# Altium PCB SolderingStation_ASCII.PcbDoc (part 1 of 3)
Units mm, origin at the board's own origin, x right, y up, seen from the top; angles counter-clockwise.
Board outline 138.15 x 60.81 mm, 2 copper layers (Top Layer, Bottom Layer), stack 1.671 mm thick; 227 components, 141 nets, 684 pads, 483 vias.
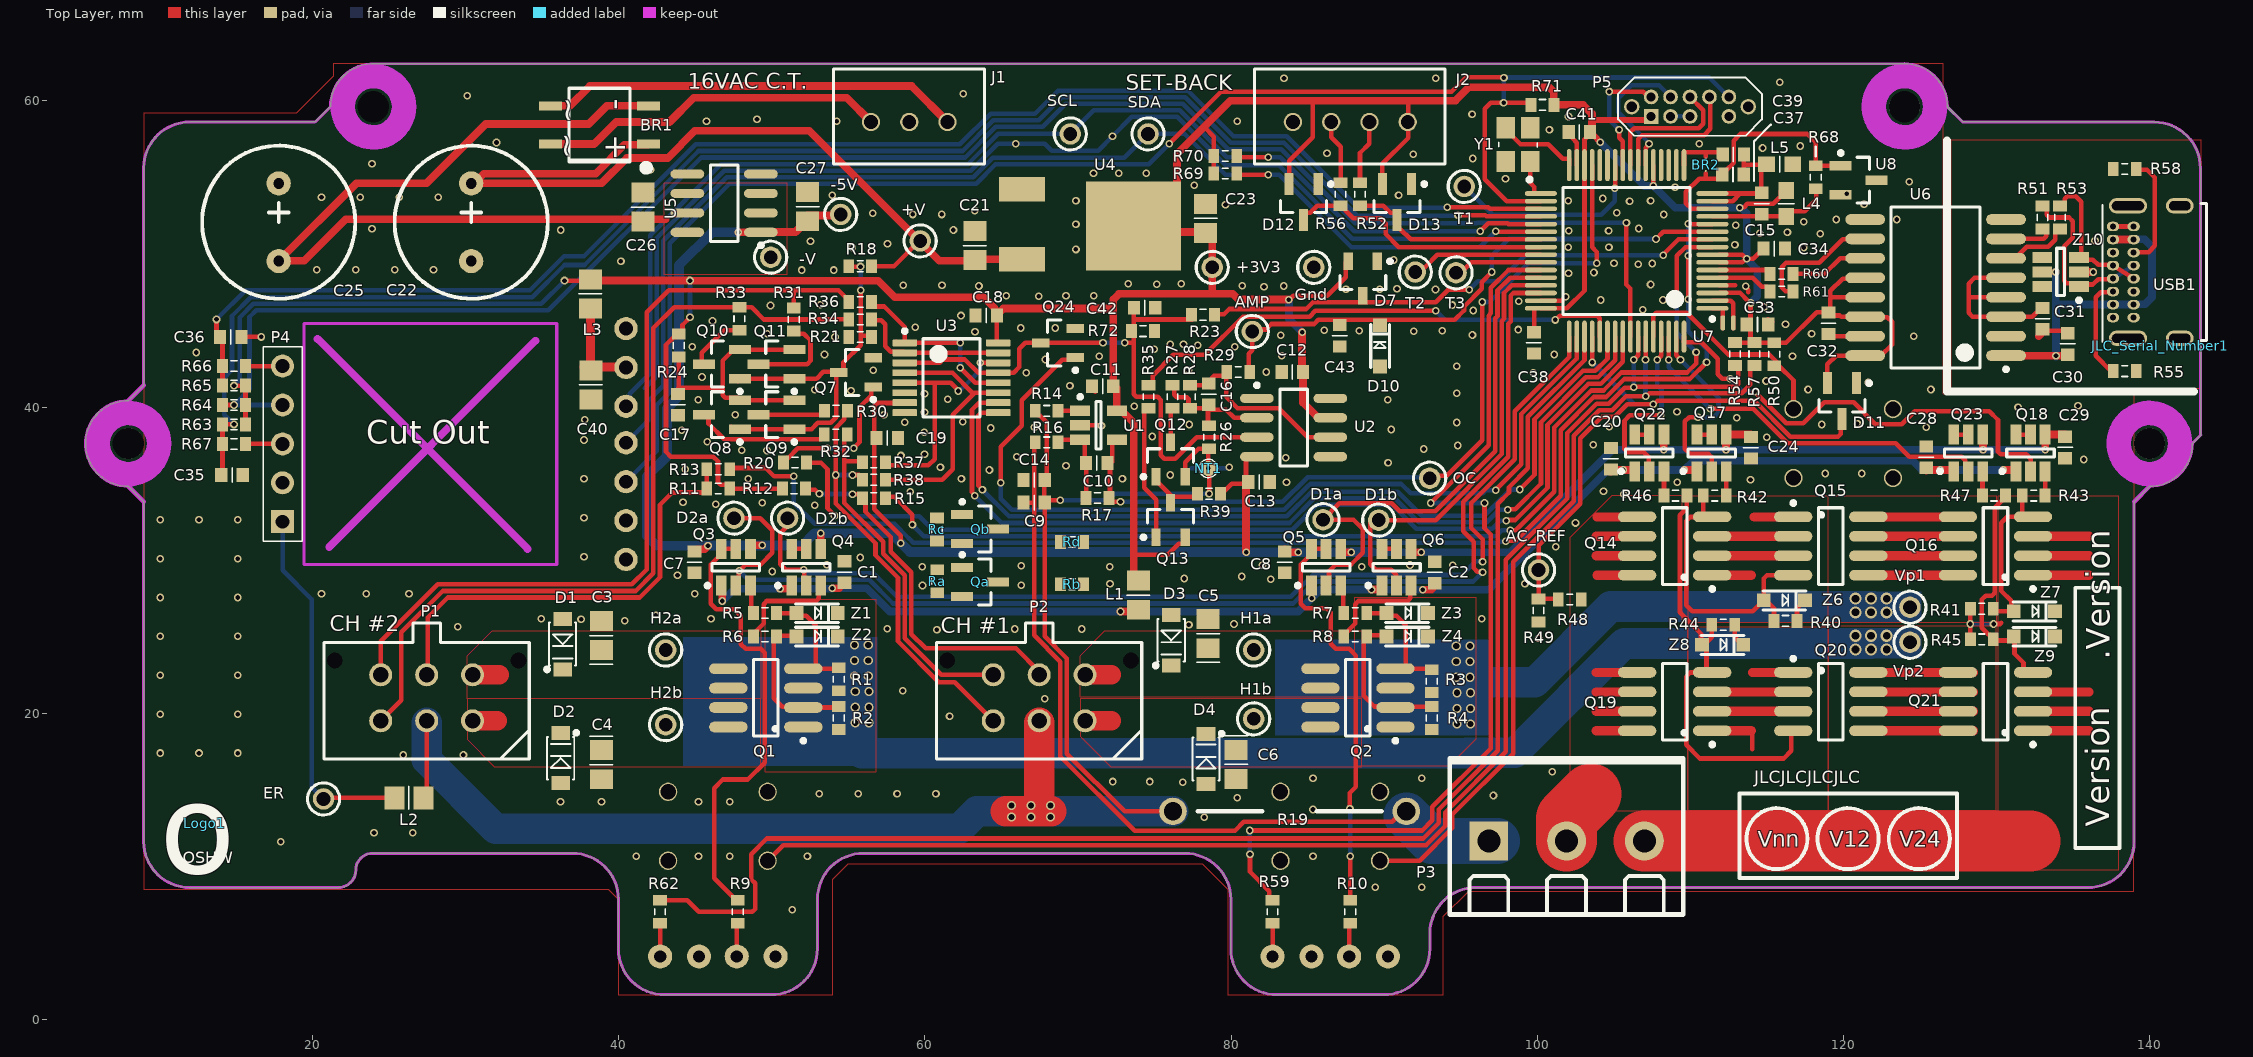
[diagram p0: Top Layer view]
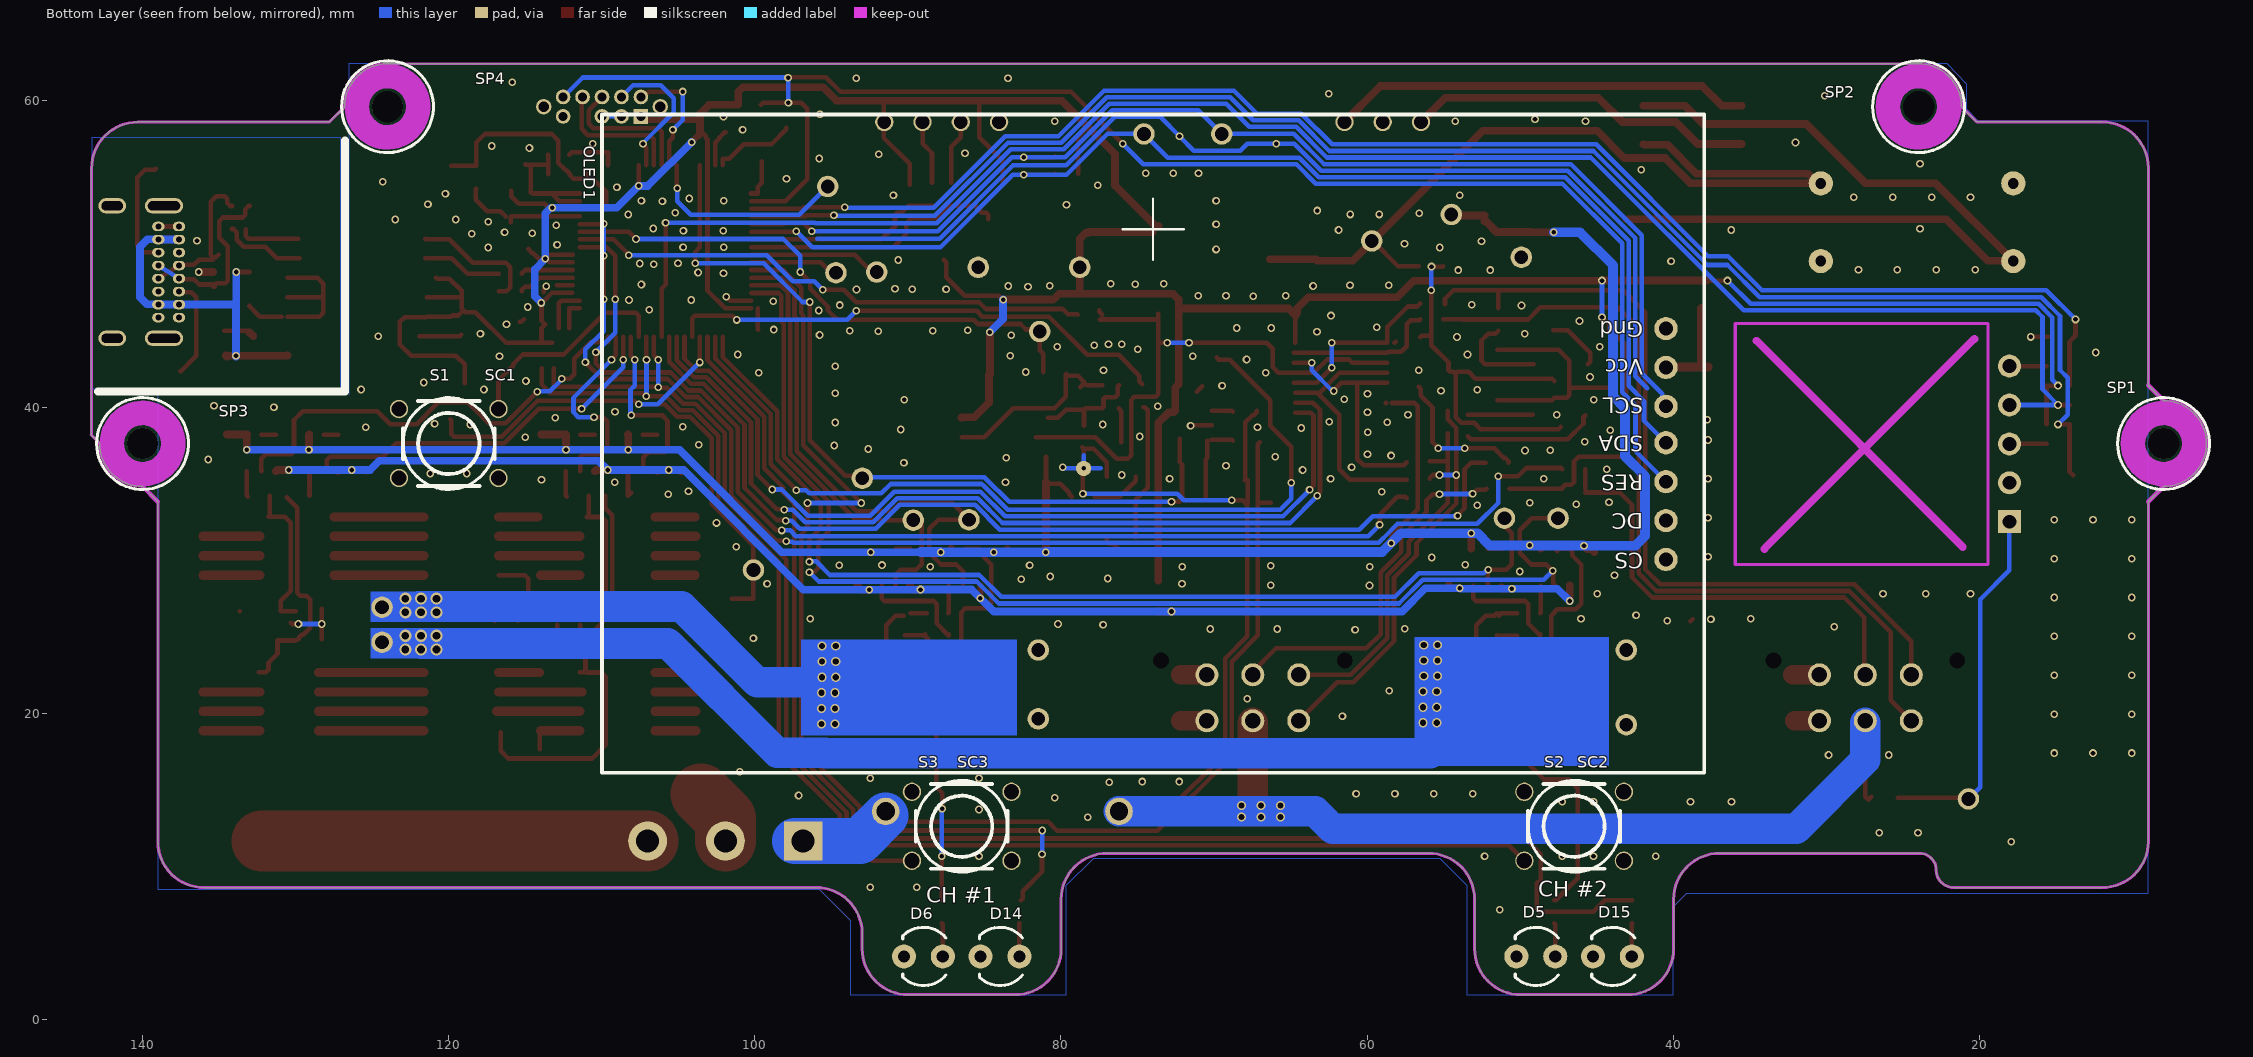
[diagram p1: Bottom Layer view, seen from below]

## Layer stack, top to bottom
Top Solder: solder mask 0.0102, Solder Resist, Dk 3.5
Top Layer: signal copper 0.0356
Dielectric 1: dielectric 1.6, FR-4, Dk 4.8
Bottom Layer: signal copper 0.0356
Bottom Solder: solder mask 0.0102, Solder Resist, Dk 3.5

## Board outline
11.976,8.617 21.69,8.617 ccw(c21.69,9.755) 22.827,9.755 cw(c23.927,9.755) 23.927,10.855 23.927,10.852 36.976,10.852 cw(c36.976,7.852) 39.976,7.852 39.976,4.617 ccw(c42.976,4.617) 42.976,1.617 49.976,1.617 ccw(c49.976,4.617) 52.976,4.617 52.976,7.852 cw(c55.976,7.852) 55.976,10.852 76.976,10.852 cw(c76.976,7.852) 79.976,7.852 79.976,4.617 ccw(c82.976,4.617) 82.976,1.617 89.976,1.617 ccw(c89.976,4.617) 92.976,4.617 92.976,5.617 cw(c95.976,5.617) 95.976,8.617 135.976,8.617 ccw(c135.976,11.617) 138.976,11.617 138.976,33.817 139.976,34.817 ccw(c139.976,37.617) 142.776,37.617 143.33,38.172 143.315,38.172 143.315,55.604 143.305,55.604 ccw(c140.305,55.604) 140.305,58.604 140.305,58.617 127.776,58.617 126.776,59.617 ccw(c123.976,59.617) 123.976,62.417 123.976,62.432 24.049,62.416 ccw(c23.976,59.617) 21.176,59.617 20.176,58.617 11.976,58.617 ccw(c11.976,55.617) 8.976,55.617 8.976,41.417 7.976,40.417 ccw(c7.976,37.617) 7.976,34.817 8.976,33.817 8.976,11.617 ccw(c11.976,11.617)

## Design rules (kind name [scope] priority, off if disabled: settings)
AssemblyTestPointUsage [All] p0: scope1count=1 scope1_0_kind=Board scope1_0_value=Board scope2count=1 scope2_0_kind=Board scope2_0_value=Board commentlength=0
AssemblyTestpoint [All] p0: scope1count=1 scope1_0_kind=Board scope1_0_value=Board scope2count=1 scope2_0_kind=Board scope2_0_value=Board commentlength=0
Clearance [All] p0: scope1count=1 scope1_0_kind=Board scope1_0_value=Board scope2count=1 scope2_0_kind=Board scope2_0_value=Board commentlength=0 gap=0.127
Clearance [All] p1: gap=0.127 ignorepadtopadclearanceinfootprint=FALSE
ComponentClearance [All] p0: scope1count=1 scope1_0_kind=Board scope1_0_value=Board scope2count=1 scope2_0_kind=Board scope2_0_value=Board commentlength=0 gap=0.254 collisioncheckmode=3
DiffPairsRouting [All] p0: scope1count=1 scope1_0_kind=Board scope1_0_value=Board scope2count=1 scope2_0_kind=Board scope2_0_value=Board commentlength=0
DiffPairsRouting [All] p1: maxlimit=0.254 minlimit=0.254 mostfreqgap=0.254 toplayer_minwidth=0.254 toplayer_maxwidth=0.381 toplayer_prefwidth=0.381 bottomlayer_minwidth=0.254 bottomlayer_maxwidth=0.381 bottomlayer_prefwidth=0.381 maxuncoupledlength=12.7
FabricationTestPointUsage [All] p0: scope1count=1 scope1_0_kind=Board scope1_0_value=Board scope2count=1 scope2_0_kind=Board scope2_0_value=Board commentlength=0 valid=0 allowmultiple=FALSE
FabricationTestpoint [All] p0: scope1count=1 scope1_0_kind=Board scope1_0_value=Board scope2count=1 scope2_0_kind=Board scope2_0_value=Board commentlength=0 side=3 testpointundercomponent=TRUE minsize=1.016 maxsize=2.54 preferedsize=1.524 minholesize=0 maxholesize=1.016 preferedholesize=0.813 testpointgrid=0.025
FanoutControl Fanout_Default [All] p0: scope1count=1 scope1_0_kind=Board scope1_0_value=Board scope2count=1 scope2_0_kind=Board scope2_0_value=Board commentlength=30 // Fanout_Default (Default Rule)
FanoutControl Fanout_Small [All] p0 off: scope1count=1 scope1_0_kind=Board scope1_0_value=Board scope2count=1 scope2_0_kind=Board scope2_0_value=Board commentlength=84 // Protel DXP Scope 1 Expression Was: (CompPinCount < 5)   Fanout_Small (Default Rule)
FanoutControl Fanout_SOIC [All] p0 off: scope1count=1 scope1_0_kind=Board scope1_0_value=Board scope2count=1 scope2_0_kind=Board scope2_0_value=Board commentlength=71 // Protel DXP Scope 1 Expression Was: IsSOIC   Fanout_SOIC (Default Rule)
FanoutControl Fanout_LCC [All] p0 off: scope1count=1 scope1_0_kind=Board scope1_0_value=Board scope2count=1 scope2_0_kind=Board scope2_0_value=Board commentlength=69 // Protel DXP Scope 1 Expression Was: IsLCC   Fanout_LCC (Default Rule)
FanoutControl Fanout_BGA [All] p0 off: scope1count=1 scope1_0_kind=Board scope1_0_value=Board scope2count=1 scope2_0_kind=Board scope2_0_value=Board commentlength=69 // Protel DXP Scope 1 Expression Was: IsBGA   Fanout_BGA (Default Rule)
Height [All] p0: scope1count=1 scope1_0_kind=Board scope1_0_value=Board scope2count=1 scope2_0_kind=Board scope2_0_value=Board commentlength=0
HoleSize [All] p0: scope1count=1 scope1_0_kind=Board scope1_0_value=Board scope2count=1 scope2_0_kind=Board scope2_0_value=Board commentlength=0 absolutevalues=TRUE maxlimit=3.1 minlimit=0.025 maxpercent=80.000 minpercent=20.000
HoleSize [All] p1: absolutevalues=TRUE maxlimit=3.1 minlimit=0.025 maxpercent=80.000 minpercent=20.000
HoleToHoleClearance [All] p0: scope1count=1 scope1_0_kind=Board scope1_0_value=Board scope2count=1 scope2_0_kind=Board scope2_0_value=Board commentlength=0
LayerPairs [All] p0: scope1count=1 scope1_0_kind=Board scope1_0_value=Board scope2count=1 scope2_0_kind=Board scope2_0_value=Board commentlength=0 enforce=TRUE
MinimumSolderMaskSliver [All] p0 off: scope1count=1 scope1_0_kind=Board scope1_0_value=Board scope2count=1 scope2_0_kind=Board scope2_0_value=Board commentlength=0
MinimumSolderMaskSliver [All] p1 off: minsoldermaskwidth=0.254
NetAntennae [All] p0: scope1count=1 scope1_0_kind=Board scope1_0_value=Board scope2count=1 scope2_0_kind=Board scope2_0_value=Board commentlength=0
PasteMaskExpansion [All] p0: scope1count=1 scope1_0_kind=Board scope1_0_value=Board scope2count=1 scope2_0_kind=Board scope2_0_value=Board commentlength=0 expansion=0
PlaneClearance [All] p0: scope1count=1 scope1_0_kind=Board scope1_0_value=Board scope2count=1 scope2_0_kind=Board scope2_0_value=Board commentlength=0 clearance=0.508
PlaneConnect [All] p0: scope1count=1 scope1_0_kind=Board scope1_0_value=Board scope2count=1 scope2_0_kind=Board scope2_0_value=Board commentlength=0 planeconnectstyle=Relief reliefexpansion=0.508 reliefentries=4 reliefconductorwidth=0.254 reliefairgap=0.254
PolygonConnect [All] p0: scope1count=1 scope1_0_kind=Board scope1_0_value=Board scope2count=1 scope2_0_kind=Board scope2_0_value=Board commentlength=0 connectstyle=Relief reliefconductorwidth=0.254 reliefentries=4 polygonreliefangle="90 Angle"
PolygonConnect PolygonConnect_Via [All] p0 off: scope1count=1 scope1_0_kind=Board scope1_0_value=Board scope2count=1 scope2_0_kind=Board scope2_0_value=Board commentlength=44 connectstyle=Direct reliefconductorwidth=0.254 reliefentries=4 polygonreliefangle="90 Angle" // Protel DXP Scope 2 Expression Was: IsVia
PolygonConnect PolygonConnect_Via [IsPolygon vs IsVia] p1: connectstyle=Direct reliefconductorwidth=0.254 reliefentries=4 polygonreliefangle="90 Angle" airgapwidth=0.254
PolygonConnect [All] p2: connectstyle=Relief reliefconductorwidth=0.254 reliefentries=4 polygonreliefangle="90 Angle" airgapwidth=0.254
RoomDefinition SolderingStation_Control [All] p0: scope1count=1 scope1_0_kind=ComponentClass scope1_0_value=SolderingStation_Control scope2count=1 scope2_0_kind=Board scope2_0_value=Board commentlength=0 region_x1=1470000 region_y1=0 region_x2=60710000 region_y2=25260000 confinementstyle=ConfineIn
RoomDefinition SolderingStation_Power [All] p0: scope1count=1 scope1_0_kind=ComponentClass scope1_0_value=SolderingStation_Power scope2count=1 scope2_0_kind=Board scope2_0_value=Board commentlength=0 region_x1=1530000 region_y1=0 region_x2=60710000 region_y2=25080000 confinementstyle=ConfineIn
RoomDefinition SolderingStation_Processor [All] p0: scope1count=1 scope1_0_kind=ComponentClass scope1_0_value=SolderingStation_Processor scope2count=1 scope2_0_kind=Board scope2_0_value=Board commentlength=0 region_x1=1530000 region_y1=0 region_x2=60770000 region_y2=25030000 confinementstyle=ConfineIn
RoomDefinition SolderingStation_Control [InComponentClass('SolderingStation_Control')] p1: confinementstyle=ConfineIn formatcopy=TRUE lockcomponents=FALSE outline 3.734,0 154.203,0 154.203,64.16 3.734,64.16
RoomDefinition SolderingStation_Power [InComponentClass('SolderingStation_Power')] p2: confinementstyle=ConfineIn formatcopy=TRUE lockcomponents=FALSE outline 3.886,0 154.203,0 154.203,63.703 3.886,63.703
RoomDefinition SolderingStation_Processor [InComponentClass('SolderingStation_Processor')] p3: confinementstyle=ConfineIn formatcopy=TRUE lockcomponents=FALSE outline 3.886,0 154.356,0 154.356,63.576 3.886,63.576
RoutingCorners [All] p0: scope1count=1 scope1_0_kind=Board scope1_0_value=Board scope2count=1 scope2_0_kind=Board scope2_0_value=Board commentlength=0 cornerstyle=45-Degree minsetback=2.54 maxsetback=2.54
RoutingLayers [All] p0: scope1count=1 scope1_0_kind=Board scope1_0_value=Board scope2count=1 scope2_0_kind=Board scope2_0_value=Board commentlength=0 top layer=Automatic bottom layer=Automatic
RoutingPriority [All] p0: scope1count=1 scope1_0_kind=Board scope1_0_value=Board scope2count=1 scope2_0_kind=Board scope2_0_value=Board commentlength=0
RoutingTopology [All] p0: scope1count=1 scope1_0_kind=Board scope1_0_value=Board scope2count=1 scope2_0_kind=Board scope2_0_value=Board commentlength=0 topology=Shortest
RoutingVias [All] p0: scope1count=1 scope1_0_kind=Board scope1_0_value=Board scope2count=1 scope2_0_kind=Board scope2_0_value=Board commentlength=0 holewidth=0.3 width=0.5 viastyle="Through Hole" minholewidth=0 minwidth=0.5 maxholewidth=0.711 maxwidth=1.27
RoutingVias [All] p1: holewidth=0.3 width=0.5 viastyle="Through Hole" minholewidth=0 minwidth=0.5 maxholewidth=0.711 maxwidth=1.27
ShortCircuit [All] p0: scope1count=1 scope1_0_kind=Board scope1_0_value=Board scope2count=1 scope2_0_kind=Board scope2_0_value=Board commentlength=0 allowed=FALSE
SilkToBoardRegionClearance [All] p0: scope1count=1 scope1_0_kind=Board scope1_0_value=Board scope2count=1 scope2_0_kind=Board scope2_0_value=Board commentlength=0
SilkToSilkClearance [All] p0 off: scope1count=1 scope1_0_kind=Board scope1_0_value=Board scope2count=1 scope2_0_kind=Board scope2_0_value=Board commentlength=0
SilkToSilkClearance [All] p1 off: silktosilkclearance=0.254
SilkToSolderMaskClearance [All] p0 off: scope1count=1 scope1_0_kind=Board scope1_0_value=Board scope2count=1 scope2_0_kind=Board scope2_0_value=Board commentlength=44 // Protel DXP Scope 1 Expression Was: IsPad
SilkToSolderMaskClearance [IsPad] p1 off: minsilkscreentomaskgap=0.254 clearancetoexposedcopper=TRUE
SolderMaskExpansion SolderMaskExpansion_Via [All] p0 off: scope1count=1 scope1_0_kind=Board scope1_0_value=Board scope2count=1 scope2_0_kind=Board scope2_0_value=Board commentlength=44 expansion=0.102 // Protel DXP Scope 1 Expression Was: IsVia
SolderMaskExpansion [All] p0: scope1count=1 scope1_0_kind=Board scope1_0_value=Board scope2count=1 scope2_0_kind=Board scope2_0_value=Board commentlength=0 expansion=0.102
SolderMaskExpansion SolderMaskExpansion_Via [IsVia] p1: expansion=0.102 istentingtop=TRUE
SolderMaskExpansion [All] p2: expansion=0.102 istentingtop=FALSE
UnRoutedNet [All] p0: scope1count=1 scope1_0_kind=Board scope1_0_value=Board scope2count=1 scope2_0_kind=Board scope2_0_value=Board commentlength=0
UnpouredPolygon [All] p0: scope1count=1 scope1_0_kind=Board scope1_0_value=Board scope2count=1 scope2_0_kind=Board scope2_0_value=Board commentlength=0
Width [All] p0: scope1count=1 scope1_0_kind=Board scope1_0_value=Board scope2count=1 scope2_0_kind=Board scope2_0_value=Board commentlength=0 maxlimit=4 minlimit=0.254 preferedwidth=0.254
Width [All] p1: maxlimit=4 minlimit=0.254 preferedwidth=0.254
25 further rules are at their usual default settings.

## Classes and differential pairs
component class SolderingStation_Power: +3V3 +V +V~ -5V -V AC_REF BR1 C20 C21 C22 C23 C24 C25 C26 C27 C28 C29 D11 J1 P3 Q14 Q15 Q16 Q17 Q18 Q19 Q20 Q21 Q22 Q23 Qa Qb R40 R41 R42 R43 R44 R45 R46 R47 R48 R49 Ra Rb Rc Rd SP1 SP2 SP3 SP4 U4 U5 Vp1 Vp2 Z6 Z7 Z8 Z9
component class SolderingStation_Processor: BR2 C15 C30 C31 C32 C33 C34 C35 C36 C37 C38 C39 C40 C41 D12 D13 D14 D15 Gnd J2 JLC_Serial_Number1 L3 L4 L5 Logo1 OLED1 P4 P5 R50 R51 R52 R53 R54 R55 R56 R57 R58 R59 R60 R61 R62 R63 R64 R65 R66 R67 R68 R69 R70 R71 S1 S2 S3 SC1 SC2 SC3 SCL SDA T1 T2 T3 U6 U7 U8 USB1 Y1 Z10
component class SolderingStation_Control: AMP C1 C2 C3 C4 C5 C6 C7 C8 C9 C10 C11 C12 C13 C14 C16 C17 C18 C19 C42 C43 D1 D1a D1b D2 D2a D2b D3 D4 D5 D6 D7 D10 ER H1a H1b H2a H2b L1 L2 NT1 OC P1 P2 Q1 Q2 Q3 Q4 Q5 Q6 Q7 Q8 Q9 Q10 Q11 Q12 Q13 Q24 R1 R2 R3 R4 R5 R6 R7 R8 R9 R10 R11 R12 R13 R14 R15 R16 R17 R18 R19 R20 R21 R23 R24 R26 R27 R28 R29 R30 R31 R32 R33 R34 R35 R36 R37 R38 R39 R72 U1 U2 U3 Z1 Z2 Z3 Z4

## Components (designator, comment, footprint, x,y, rotation, side; value= is the part's Value field where it differs from the comment)
+3V3 "+3.3 volt" "PCBPIN - 0.9MM" 78.765,49.124 r90 top
+V "9 volt unregulated" "PCBPIN - 0.9MM" 59.69,50.851 r90 top
-5V "-5 volt" "PCBPIN - 0.9MM" 54.495,52.579 r90 top
-V "-9 volt unregulated" "PCBPIN - 0.9MM" 49.923,49.785 r90 top
AC_REF "Vdd" "PCBPIN - 0.9MM" 100.076,29.358 r90 top
AMP "NTC1" "PCBPIN - 0.9MM" 81.382,44.933 r0 top
BR1 "MB1S" MB1S 38.747,58.421 r180 top
BR2 "Solder Bridge (Open)" SOLDERBRIDGE(OPEN) 110.998,55.804 r270 top
C1 "100nF" CCNP1608-0603_N 54.75,29.22 r90 top
C2 "100nF" CCNP1608-0603_N 93.3,29.196 r90 top
C3 "DNP" CC2012-0805 38.874,25.071 r90 top
C4 "DNP" CC2012-0805 38.874,16.638 r270 top
C5 "DNP" CC2012-0805 78.498,25.198 r90 top
C6 "DNP" CC2012-0805 80.326,16.664 r270 top
C7 "100nF" CCNP1608-0603_N 44.95,29.87 r270 top
C8 "100nF" CCNP1608-0603_N 83.5,29.87 r270 top
C9 "100nF" CCNP1608-0603_N 67.132,33.757 r180 top
C10 "100pF" CCNP1608-0603_N 71.222,36.347 r0 top
C11 "100nF" CCNP1608-0603_N 71.603,41.351 r180 top
C12 "100nF" CCNP1608-0603_N 83.998,42.291 r180 top
C13 "100nF" CCNP1608-0603_N 81.819,35.106 r0 top
C14 "100nF" CCNP1608-0603_N 67.132,35.23 r180 top
C15 "100nF" CCNP1608-0603_N 114.656,53.289 r270 top
C16 "100pF" CCNP1608-0603_N 78.537,40.843 r90 top
C17 "100nF" CCNP1608-0603_N 43.866,40.157 r90 top
C18 "100nF" CCNP1608-0603_N 64.008,45.974 r180 top
C19 "100nF" CCNP1608-0603_N 57.543,37.974 r0 top
C20 "100nF" CCNP1608-0603_N 104.8,36.627 r90 top
C21 "2.2uF" CCNP2012-0805 63.258,50.547 r270 top
C22 "470uF/25V" RB5/10X13MM 30.365,52.071 r270 top
C23 "10uF" CCNP2012-0805 78.334,52.324 r270 top
C24 "100nF" CCNP1608-0603_N 113.944,37.338 r270 top
C25 "270uF/25V" RB5/10X13MM 17.792,52.071 r270 top
C26 "2.2uF" CCNP2012-0805 41.58,53.061 r270 top
C27 "10uF" CCNP2012-0805 52.336,53.087 r270 top
C28 "100nF" CCNP1608-0603_N 125.4,36.728 r90 top
C29 "100nF" CCNP1608-0603_N 134.468,37.363 r270 top
C30 "100nF" CCNP1608-0603_N 134.644,44.123 r270 top
C31 "100nF" CCNP1608-0603_N 132.993,45.774 r90 top
C32 "100nF" CCNP1608-0603_N 119.011,45.467 r90 top
C33 "100nF" CCNP1608-0603_N 114.376,45.39 r180 top
C34 "2.2uF" CCNP1608-0603_N 115.467,50.346 r180 top
C35 "1nF" CCNP1608-0603_N 14.744,35.561 r180 top
C36 "1nF" CCNP1608-0603_N 14.656,44.578 r180 top
C37 "100nF" CCNP1608-0603_N 112.776,55.194 r180 top
C38 "100nF" CCNP1608-0603_N 99.771,44.191 r90 top
C39 "100nF" CCNP1608-0603_N 112.801,56.49 r180 top
C40 "10uF" CCNP2012-0805 38.176,41.448 r90 top
C41 "100nF" CCNP1608-0603_N 102.743,57.958 r0 top
C42 "100pF" CCNP1608-0603_N 74.346,46.482 r180 top
C43 "DNP" CCNP1608-0603_N 87.097,44.653 r90 top
D1 "SM4007PL" SOD-123FL 36.334,24.512 r90 top
D1a "Drive1" "PCBPIN - 0.9MM" 86.004,32.639 r0 top
D1b "Drive2" "PCBPIN - 0.9MM" 89.637,32.614 r0 top
D2 "SM4007PL" SOD-123FL 36.207,17.07 r270 top
D2a "Drive2" "PCBPIN - 0.9MM" 47.523,32.741 r0 top
D2b "Drive2" "PCBPIN - 0.9MM" 51.029,32.741 r0 top
D3 "SM4007PL" SOD-123FL 76.085,24.766 r90 top
D4 "SM4007PL" SOD-123FL 78.359,17.018 r270 top
D5 "LED" "LED3MM-GREEN - 10MM PROUD" 48.976,4.117 r0 bottom locked
D6 "LED" "LED3MM-GREEN - 10MM PROUD" 88.976,4.117 r0 bottom locked
D7 "BAV199LT1G" SOT23_N 88.595,48.387 r90 top
D10 "1N4148WS" SOD-323 89.713,43.993 r270 top
D11 "BAV199LT1G" SOT23_M 119.888,40.386 r90 top
D12 "BAV199LT1G" SOT23_M 84.733,53.394 r90 top
D13 "BAV199LT1G" SOT23_M 90.829,53.394 r90 top
D14 "LED" "LED3MM-RED - 10MM PROUD" 83.976,4.117 r0 bottom locked
D15 "LED" "LED3MM-RED - 10MM PROUD" 43.976,4.117 r0 bottom locked
ER "Gnd" "PCBPIN - 0.9MM" 20.725,14.405 r0 top
Gnd "Gnd" "PCBPIN - 0.9MM" 85.395,49.124 r90 top
H1a "Heater1" "PCBPIN - 0.9MM" 81.469,24.131 r0 top
H1b "Heater2" "PCBPIN - 0.9MM" 81.469,19.636 r90 top
H2a "Heater2" "PCBPIN - 0.9MM" 43.065,24.131 r0 top
H2b "Heater2" "PCBPIN - 0.9MM" 43.065,19.254 r90 top
J1 "JST XH Connector, 3-Pin" JST-B3B-XH-AX 58.976,58.617 r180 top
J2 "JST XH Connector, 4-Pin" JST-B4B-XH-AX 87.781,58.617 r180 top
JLC_Serial_Number1 "JLC_Serial_Number" JLC_SERIAL_NUMBER 140.687,44.004 r180 top
L1 "Ferrite Bead 600R@100MHz" FB2012-0805 73.939,27.711 r270 top
L2 "Ferrite Bead 600R@100MHz" FB2012-0805 26.301,14.479 r0 top
L3 "Ferrite Bead 600R@100MHz" FB2012-0805 38.151,47.392 r270 top
L4 "Ferrite Bead 600R@100MHz" FB1608-0603 116.256,53.289 r90 top
L5 "Ferrite Bead 600R@100MHz" FB1608-0603 115.824,55.855 r180 top
Logo1 "OSHW Logo" OSHW 12.966,12.828 r0 top
NT1 "NetTieVia" NETTIEVIA 78.511,35.992 r90 top net-tie
OC "Overcurrent" "PCBPIN - 0.9MM" 92.964,35.352 r0 top
OLED1 "OLED_Display" "OLED_DISPLAY_128X64_2.4INCH - NO MOUNTING HOLES" 73.976,37.617 r0 bottom locked
P1 "MOLEX-43045-0612" MOLEX-43045-0612 27.456,21.009 r0 top locked
P2 "MOLEX-43045-0612" MOLEX-43045-0612 67.461,21.009 r0 top locked
P3 "Terminal3" MOLEX-39544-3003 96.825,11.659 r270 top locked
P4 "Header, 5-Pin" HDR1X5S 18.046,32.513 r90 top locked
P5 "SWD Connector 2x5-Pin" SWD-2X5-JIG-HEADER 107.427,58.982 r0 top
Q1 "DMP4025LSD-13" SO-8_M 49.607,21.009 r90 top
Q2 "DMP4025LSD-13" SO-8_M 88.277,21.009 r90 top locked
Q3 "IMD2AT108" "SOT457_M - MIRROR" 47.65,29.54 r90 top
Q4 "IMD2AT108" "SOT457_M - MIRROR" 52.25,29.54 r90 top
Q5 "IMD2AT108" "SOT457_M - MIRROR" 86.2,29.54 r90 top
Q6 "IMD2AT108" "SOT457_M - MIRROR" 90.8,29.54 r90 top
Q7 "MMBT3904LT1G" SOT23_N 55.499,42.266 r0 top
Q8 "BSS84" SOT23_M 46.748,39.498 r0 top
Q9 "BSS84" SOT23_M 50.304,39.498 r0 top
Q10 "BSS84" SOT23_M 46.748,42.8 r0 top
Q11 "BSS84" SOT23_M 50.304,42.8 r0 top
Q12 "BSH103" SOT23_N 76.048,36.576 r270 top
Q13 "MMBT3906LT1G" SOT23_N 76.048,32.614 r270 top
Q14 "FDS4675" SO-8_M 108.966,30.923 r90 top
Q15 "FDS4675" SO-8_M 119.163,30.923 r270 top
Q16 "FDS4675" SO-8_M 129.921,30.923 r90 top
Q17 "IMD2AT108" "SOT457_M - MIRROR" 111.379,37.003 r90 top
Q18 "IMD2AT108" "SOT457_M - MIRROR" 132.207,37.003 r90 top
Q19 "FDS4675" SO-8_M 108.966,20.763 r90 top
Q20 "FDS4675" SO-8_M 119.163,20.763 r270 top
Q21 "FDS4675" SO-8_M 129.921,20.763 r90 top
Q22 "IMD2AT108" "SOT457_M - MIRROR" 107.315,37.003 r90 top
Q23 "IMD2AT108" "SOT457_M - MIRROR" 128.143,37.003 r90 top
Q24 "BSH103" SOT23_N 68.7,44.186 r0 top
Qa "DNP" SOT23_M 63.601,28.575 r180 top
Qb "DNP" SOT23_M 63.601,32.029 r180 top
R1 "4.7k" CR1608-0603_N 54.368,22.226 r270 top
R2 "4.7k" CR1608-0603_N 54.368,19.686 r270 top
R3 "4.7k" CR1608-0603_N 93.103,22.099 r270 top
R4 "4.7k" CR1608-0603_N 93.103,19.686 r270 top
R5 "4.7k" CR1608-0603_N 49.55,26.55 r0 top
R6 "4.7k" CR1608-0603_N 49.55,25.02 r0 top
R7 "4.7k" CR1608-0603_N 88.1,26.55 r0 top
R8 "4.7k" CR1608-0603_N 88.1,25.02 r0 top
R9 "470R" CR1608-0603_N 47.776,7.039 r90 top
R10 "470R" CR1608-0603_N 87.781,7.039 r90 top
R11 "10k" CR1608-0603_N 46.494,34.672 r0 top
R12 "10k" CR1608-0603_N 51.447,34.672 r180 top
R13 "10k" CR1608-0603_N 46.494,35.942 r0 top
R14 "10k" CR1608-0603_N 67.945,39.751 r180 top
R15 "10k" CR1608-0603_N 56.667,34.037 r0 top
R16 "10k" CR1608-0603_N 67.945,37.694 r180 top
R17 "22k" CR1608-0603_N 71.272,34.061 r0 top
R18 "10k" CR1608-0603_N 55.765,49.2 r180 top
R19 "OAR3-R050FI" OAR3-R050FI 83.82,13.589 r180 top
R20 "10k" CR1608-0603_N 51.511,36.373 r0 top
R21 "22K" CR1608-0603_N 55.765,44.577 r0 top
R23 "DNP" CR1608-0603_N 78.156,46.025 r0 top
R24 "10R" CR1608-0603_N 43.917,44.018 r270 top
R26 "10k" CR1608-0603_N 78.56,38.027 r90 top
R27 "3.3k" CR1608-0603_N 76.175,40.665 r270 top
R28 "10k" CR1608-0603_N 77.318,40.665 r90 top
R29 "0R" CR1608-0603_N 80.467,42.291 r180 top
R30 "22k" CR1608-0603_N 54.19,39.752 r180 top
R31 "22k" CR1608-0603_N 51.435,45.72 r270 top
R32 "22k" CR1608-0603_N 54.178,38.202 r180 top
R33 "22k" CR1608-0603_N 47.879,45.771 r270 top
R34 "3.3k" CR1608-0603_N 55.765,45.721 r180 top
R35 "10k" CR1608-0603_N 74.6,40.665 r90 top
R36 "3.3k" CR1608-0603_N 55.765,46.864 r180 top
R37 "3.3k" CR1608-0603_N 56.667,36.398 r180 top
R38 "3.3k" CR1608-0603_N 56.667,35.255 r180 top
R39 "22K" CR1608-0603_N 78.556,34.336 r180 top
R40 "39k" CR1608-0603_N 116.205,26.035 r180 top
R41 "39k" CR1608-0603_N 129.032,26.827 r180 top
R42 "4.7k" CR1608-0603_N 111.582,34.214 r180 top
R43 "4.7k" CR1608-0603_N 132.41,34.214 r180 top
R44 "39k" CR1608-0603_N 112.141,25.781 r0 top
R45 "39k" CR1608-0603_N 129.032,24.827 r180 top
R46 "4.7k" CR1608-0603_N 109.017,34.214 r0 top
R47 "4.7k" CR1608-0603_N 129.819,34.214 r0 top
R48 "15K" CR1608-0603_N 102.108,27.432 r180 top
R49 "4.3k" CR1608-0603_N 100.076,26.716 r90 top
R50 "10K" CR1608-0603_N 115.468,43.455 r90 top
R51 "33R" CR1608-0603_N 132.993,52.378 r90 top
R52 "1K" CR1608-0603_N 88.416,53.902 r90 top
R53 "33R" CR1608-0603_N 134.136,52.378 r90 top
R54 "10K" CR1608-0603_N 112.903,43.459 r90 top
R55 "5.1k" CR1608-0603_N 138.365,42.345 r0 top
R56 "1K" CR1608-0603_N 87.146,53.902 r90 top
R57 "10K" CR1608-0603_N 114.172,43.459 r90 top
R58 "5.1k" CR1608-0603_N 138.365,55.553 r180 top
R59 "470R" CR1608-0603_N 82.701,7.039 r270 top
R60 "33R" CR1608-0603_N 115.949,48.695 r180 top
R61 "33R" CR1608-0603_N 115.949,47.552 r180 top
R62 "470R" CR1608-0603_N 42.696,7.039 r90 top
R63 "10K" CR1608-0603_N 14.871,38.863 r0 top
R64 "10K" CR1608-0603_N 14.871,40.133 r0 top
R65 "10K" CR1608-0603_N 14.871,41.403 r0 top
R66 "33R" CR1608-0603_N 14.871,42.673 r180 top
R67 "33R" CR1608-0603_N 14.871,37.593 r180 top
R68 "1K" CR1608-0603_N 118.186,55.016 r90 top
R69 "4.7k" CR1608-0603_N 79.615,55.246 r180 top
R70 "4.7k" CR1608-0603_N 79.615,56.389 r180 top
R71 "10K" CR1608-0603_N 100.33,59.736 r0 top
R72 "1M" CR1608-0603_N 74.244,44.958 r180 top
Ra "DNP" CR1608-0603_N 60.808,28.626 r270 top
Rb "DNP" CR1608-0603_N 69.6,28.423 r0 top
Rc "DNP" CR1608-0603_N 60.782,32.004 r270 top
Rd "DNP" CR1608-0603_N 69.6,31.191 r0 top
S1 "SW_PB-B3F1052" SW_MIN_PB-B3F1052 119.976,37.617 r180 bottom locked
S2 "SW_PB-B3F1052" SW_MIN_PB-B3F1052 46.476,12.617 r0 bottom locked
S3 "SW_PB-B3F1052" SW_MIN_PB-B3F1052 86.476,12.617 r0 bottom locked
SC1 "B32-2010" SW-CAP-B32-2010 119.976,37.617 r180 bottom locked
SC2 "B32-2010" SW-CAP-B32-2010 46.476,12.617 r180 bottom locked
SC3 "B32-2010" SW-CAP-B32-2010 86.476,12.617 r180 bottom locked
SCL "SCL" "PCBPIN - 0.9MM" 69.493,57.839 r90 top
SDA "SDA" "PCBPIN - 0.9MM" 74.573,57.839 r90 top
SP1 "6MM Spacer" "SPACER-2MM DIA X 6MM" 7.976,37.617 r180 bottom locked
SP2 "6MM Spacer" "SPACER-2MM DIA X 6MM" 23.976,59.617 r180 bottom locked
SP3 "6MM Spacer" "SPACER-2MM DIA X 6MM" 139.976,37.617 r180 bottom locked
SP4 "6MM Spacer" "SPACER-2MM DIA X 6MM" 123.976,59.617 r180 bottom locked
T1 "PTA4" "PCBPIN - 0.9MM" 95.225,54.407 r0 top
T2 "PTB18" "PCBPIN - 0.9MM" 92.024,48.814 r0 top
T3 "PTB19" "PCBPIN - 0.9MM" 94.691,48.768 r0 top
U1 "MCP6001UT-I/OT" SOT23-5_M 71.335,38.813 r180 top
U2 "OPA189ID" SOIC127P600-8N 84.08,38.662 r0 top
U3 "74HC4052PW-Q100,11" TSSOP16_M 61.734,41.911 r0 top
U4 "NCP1117DT33T5G" TO-252 69.989,51.944 r180 top
U5 "MC79L05ACD" SOIC127P600-8N 46.887,53.316 r180 top
U6 "ADuM4160BRIZ" SOIC127P1030-16M 126.008,47.806 r180 top
U7 "MK20DX256VLH7" TSQFP50P1200X1200-64M 105.827,50.199 r180 top locked
U8 "LM4040BIM3-3.0/NOPB" SOT23_M 120.98,54.813 r180 top
USB1 "USB4085-GF-A" USB4085-GF-A 139.776,48.817 r180 top locked
Vp1 "VpCH1" "PCBPIN - 0.9MM" 124.333,26.924 r0 top
Vp2 "VpCh2" "PCBPIN - 0.9MM" 124.333,24.638 r0 top
Y1 "16 MHz" CRYSTAL_SMD_3.2X2.5 98.731,57.138 r90 top
Z1 "BZT52C12S-7-F" SOD-323 52.95,26.55 r180 top
Z2 "BZT52C12S-7-F" SOD-323 52.95,25.02 r180 top
Z3 "BZT52C12S-7-F" SOD-323 91.5,26.55 r180 top
Z4 "BZT52C12S-7-F" SOD-323 91.5,25.02 r180 top
Z6 "BZT52C12S-7-F" SOD-323 116.129,27.381 r180 top
Z7 "BZT52C12S-7-F" SOD-323 132.461,26.67 r180 top
Z8 "BZT52C12S-7-F" SOD-323 112.09,24.486 r180 top
Z9 "BZT52C12S-7-F" SOD-323 132.461,25.019 r180 top
Z10 "CM1293A-04SO" "SOT457_M - 180" 134.174,48.822 r0 top

## Footprints (in the part's own frame and the unit in brackets; to place one, negate y for a bottom-side part, rotate by r counter-clockwise, add the part's x,y. Pads: shape width x height; smd on the part's side, far side on the other; paste and mask are expansions set on the pad)
CC2012-0805 [mm]
  rect 1.3x1.5 smd: 1(-0.95,0) 2(0.95,0)
  silkscreen extent -1.87,-0.75 0,0.75
CCNP1608-0603_N [mm]
  rect 0.8x0.9 smd: 1(-0.7,0) 2(0.7,0)
  silkscreen extent 0,-0.48 0,0.48
CCNP2012-0805 [mm]
  rect 1.3x1.5 smd: 1(-0.95,0) 2(0.95,0)
  silkscreen extent 0,-0.75 0,0.75
CR1608-0603_N [mm]
  rect 0.7x0.9 smd: 1(-0.75,0) 2(0.75,0)
  silkscreen extent -0.2,-0.35 0.2,0.35
CRYSTAL_SMD_3.2X2.5 [mm] "Crystal SMT low profile 3.2 x 2.5 SMD"
  rect 1.4x1.2 smd: 1(-1.1,-0.8) 2(1.1,-0.8) 3(1.1,0.8) 4(-1.1,0.8)
  silkscreen extent -2.39,-1.25 0.15,1.25
FB1608-0603 [mm] "Ferrite Bead 0603"
  rect 1.1x1 smd: 1(-0.85,0) 2(0.85,0)
  silkscreen extent 0,-0.53 0,0.53
FB2012-0805 [mm] "Ferrite Bead 0805"
  rect 1.3x1.5 smd: 1(-0.95,0) 2(0.95,0)
  silkscreen extent 0,-0.75 0,0.75
HDR1X5S [mm] "Header; 5 Position; Straight"
  rect 1.5x1.5 hole 0.9: 1(0,0)
  round 1.5 hole 0.9: 2(2.54,0) 3(5.08,0) 4(7.62,0) 5(10.16,0)
  silkscreen extent -1.27,-1.27 11.43,1.27
JLC_SERIAL_NUMBER [mm] "JLC Serial Number"
JST-B3B-XH-AX [mm] "JST 3-pin connector PCB mount"
  round 1.2 hole 0.9: 1(-2.5,0) 2(0,0) 3(2.5,0)
  silkscreen extent -4.92,-3.45 4.95,2.75
JST-B4B-XH-AX [mm] "JST 4-pin connector PCB mount"
  round 1.2 hole 0.9: 1(-3.75,0) 2(-1.25,0) 3(1.25,0) 4(3.75,0)
  silkscreen extent -6.17,-3.45 6.25,2.75
"LED3MM-GREEN - 10MM PROUD" [mil] "LED 3mm through-hole"
  round 62 hole 31.5: A(-50,0) K(50,0)
  silkscreen extent -58,-75 53,75
"LED3MM-RED - 10MM PROUD" [mil] "LED 3mm through-hole"
  round 62 hole 31.5: A(-50,0) K(50,0)
  silkscreen extent -58,-75 53,75
MB1S [mm] "Bridge Rectifier Diode, Single Phase, 100 V, 800 mA, SOIC, 1.1 V, 4 Pins"
  rect 1.5x0.6 smd: 1(-3.2,1.25) 2(-3.2,-1.25) 3(3.2,-1.25) 4(3.2,1.25)
  silkscreen extent -3.25,-2.4 2,2.99
MOLEX-39544-3003 [mm] "Wire-To-Board Terminal Block"
  rect 2.54x2.54 hole 1.5: 1(0,0)
  round 2.54 hole 1.5: 2(0,5.08) 3(0,10.16)
  silkscreen extent -5.4,-2.54 4.83,12.7
MOLEX-43045-0612 [mm] "Wire-To-Board Connector, With Polarizing Peg, 3 mm, 6 Contacts, Header, Micro-Fit 3.0 43045 Series"
  round 0.8 hole 1.02: 0(-6,2.44) 0(6,2.44)
  round 1.5 hole 1.02: 1(3,-1.5) 2(0,-1.5) 3(-3,-1.5) 4(3,1.5) 5(0,1.5) 6(-3,1.5)
  silkscreen extent -6.7,-4 6.7,4.9
NETTIEVIA [mm] "Net Tie (Short)"
  round 1 smd far side: 1(0,0)
  round 1 smd: 2(0,0)
  silkscreen extent -0.6,-0.6 0.6,0.6
OAR3-R050FI [mm] "Current Sense Resistor, 0.05 ohm, OAR Series, 3 W, Metal Strip, Radial Leaded, ± 1%"
  round 1.8 hole 1.2: 1(-7.62,0) 2(7.62,0)
  silkscreen extent -6,0 6,0
"OLED_DISPLAY_128X64_2.4INCH - NO MOUNTING HOLES" [mm] "2.4 inch OLED Display"
  round 1.524 hole 0.9: 1(-33.5,7.572) 2(-33.5,5.032) 3(-33.5,2.492) 4(-33.5,-0.048) 5(-33.5,-2.428) 6(-33.5,-4.968) 7(-33.5,-7.508)
  silkscreen extent -36,-21.5 36,21.5
OSHW [mm] "OSHW Logo"
"PCBPIN - 0.9MM" [mm]
  round 1.4 hole 0.9: 1(0,0)
  silkscreen extent -1.05,-1.05 1.05,1.05
RB5/10X13MM [mil]
  round 62 hole 28: 1(-100,0) 2(100,0)
  silkscreen extent -197,-197 197,197
SO-8_M [mm] "8-Pin Small Outline Integrated Circuit 1.27 mm Pitch, IPC Low Density"
  oval 0.7x2.5 smd: 1(-1.905,-2.45) 2(-0.635,-2.45) 3(0.635,-2.45) 4(1.905,-2.45) 5(1.905,2.45) 6(0.635,2.45) 7(-0.635,2.45) 8(-1.905,2.45)
  silkscreen extent -2.93,-2.57 2.5,0.8
SOD-123FL [mil] "SOD-123-Flat , 2-Leads, Body 2.7x1.65mm"
  rect 36x48 smd: A(64.5,0) K(-64.5,0)
  silkscreen extent -70,-35 55,45
SOD-323 [mm]
  rect 0.9x0.9 smd: A(1.347,0.004) K(-1.353,0.004)
  silkscreen extent -1.4,-0.6 1.4,0.64
SOIC127P600-8N [mm] "SOIC, 8-Leads, Body 4.9x3.9mm, Pitch 1.27mm, IPC Medium Density"
  oval 2.2x0.6 smd: 1(-2.4,1.905) 2(-2.4,0.635) 3(-2.4,-0.635) 4(-2.4,-1.905) 5(2.4,-1.905) 6(2.4,-0.635) 7(2.4,0.635) 8(2.4,1.905)
  silkscreen extent -2.52,-2.5 0.9,2.88
SOIC127P1030-16M [mm] "SOIC, 16-Leads, Body 10.3x7.5mm, Pitch 1.27mm, IPC Low Density"
  oval 2.6x0.7 smd: 1(-4.6,4.445) 2(-4.6,3.175) 3(-4.6,1.905) 4(-4.6,0.635) 5(-4.6,-0.635) 6(-4.6,-1.905) 7(-4.6,-3.175) 8(-4.6,-4.445) 9(4.6,-4.445) 10(4.6,-3.175) 11(4.6,-1.905) 12(4.6,-0.635) 13(4.6,0.635) 14(4.6,1.905) 15(4.6,3.175) 16(4.6,4.445)
  silkscreen extent -4.72,-5.25 2.9,5.47
SOLDERBRIDGE(OPEN) [mil]
  round 5 smd paste-5 mask+0: 1(-16.5,0) 2(15,0)
SOT23-5_M [mm] "SOT23, 5-Leads, Body 2.9x1.6mm, Pitch 0.95mm, Lead Span 2.7mm, IPC Low Density"
  rect 1.3x0.7 smd: 1(1.2,-0.95) 2(1.2,0) 3(1.2,0.95) 4(-1.2,0.95) 5(-1.2,-0.95)
  silkscreen extent -0.15,-1.97 1.32,1.55
SOT23_M [mm] "SOT23, 3-Leads, Body 2.9x1.3mm, Pitch 0.95mm, Lead Span 2.3mm - IPC Low Density"
  rect 1.45x0.6 smd: 1(1.175,-0.95) 2(1.175,0.95) 3(-1.175,0)
  silkscreen extent -0.7,-1.9 1.29,1.5
SOT23_N [mm] "SOT23, 3-Leads, Body 2.9x1.3mm, Pitch 0.95mm, Lead Span 2.3mm - IPC Medium Density"
  rect 1.15x0.6 smd: 1(1.125,-0.95) 2(1.125,0.95) 3(-1.125,0)
  silkscreen extent -0.7,-1.9 1.25,1.5
"SOT457_M - 180" [mm] "SOT23, 6-Leads, Body 2.9x1.5mm, Pitch 0.95mm, Lead Span 2.8mm, IPC Low Density"
  rect 1.3x0.7 smd: 1(1.2,-0.95) 2(1.2,0) 3(1.2,0.95) 4(-1.2,0.95) 5(-1.2,0) 6(-1.2,-0.95)
  silkscreen extent -0.25,-1.97 1.33,1.55
"SOT457_M - MIRROR" [mm] "SOT23, 6-Leads, Body 2.9x1.5mm, Pitch 0.95mm, Lead Span 2.8mm, IPC Low Density"
  rect 1.3x0.7 smd: 1(-1.2,-0.95) 2(-1.2,0) 3(-1.2,0.95) 4(1.2,0.95) 5(1.2,0) 6(1.2,-0.95)
  silkscreen extent -1.32,-1.55 0.25,1.97
"SPACER-2MM DIA X 6MM" [mm]
  round 2 hole 2.05: 0(0,0)
  Top Layer keep-out circle w1.6: c0,0 r2
  Bottom Layer keep-out circle w1.6: c0,0 r2
  silkscreen extent -3,-3 3,3
SW-CAP-B32-2010 [mm] "Switch cap for small push-button switch 6mm dia."
  silkscreen extent -3,-3 3,3
SW_MIN_PB-B3F1052 [mm] "Miniature PCB Push Button projected plunger"
  round 1.2 hole 1: 1(3.25,-2.25) 1b(-3.25,-2.25) 2(3.25,2.25) 2b(-3.25,2.25)
  silkscreen extent -3,-2.77 3,2.78
SWD-2X5-JIG-HEADER [mm] "Connector; SWD; 2x5 Position"
  round 1 hole 0.7: 0(-1.27,0.635) 0(6.35,0.635)
  rect 0.96x0.96 hole 0.6: 1(0,0)
  round 0.96 hole 0.6: 2(0,1.27) 3(1.27,0) 4(1.27,1.27) 5(2.54,0) 6(2.54,1.27) 8(3.81,1.27) 9(5.08,0) 10(5.08,1.27)
  silkscreen extent -2.16,-1.26 7.24,2.53
TO-252 [mm] "TO-252 Package"
  rect 3x1.6 smd: 1(3.64,-2.285) 3(3.64,2.285)
  rect 6.2x5.8 smd: 4(-3.64,0.127)
TSQFP50P1200X1200-64M [mm] "Thin QFP, 64-Leads, Body 10x10mm, Pitch 0.5mm, IPC Low Density"
  oval 2.1x0.3 smd: 1(-5.6,3.75) 2(-5.6,3.25) 3(-5.6,2.75) 4(-5.6,2.25) 5(-5.6,1.75) 6(-5.6,1.25) 7(-5.6,0.75) 8(-5.6,0.25) 9(-5.6,-0.25) 10(-5.6,-0.75) 11(-5.6,-1.25) 12(-5.6,-1.75) 13(-5.6,-2.25) 14(-5.6,-2.75) 15(-5.6,-3.25) 16(-5.6,-3.75) 33(5.6,-3.75) 34(5.6,-3.25) 35(5.6,-2.75) 36(5.6,-2.25) 37(5.6,-1.75) 38(5.6,-1.25) 39(5.6,-0.75) 40(5.6,-0.25) 41(5.6,0.25) 42(5.6,0.75) 43(5.6,1.25) 44(5.6,1.75) 45(5.6,2.25) 46(5.6,2.75) 47(5.6,3.25) 48(5.6,3.75)
  oval 0.3x2.1 smd: 17(-3.75,-5.6) 18(-3.25,-5.6) 19(-2.75,-5.6) 20(-2.25,-5.6) 21(-1.75,-5.6) 22(-1.25,-5.6) 23(-0.75,-5.6) 24(-0.25,-5.6) 25(0.25,-5.6) 26(0.75,-5.6) 27(1.25,-5.6) 28(1.75,-5.6) 29(2.25,-5.6) 30(2.75,-5.6) 31(3.25,-5.6) 32(3.75,-5.6) 49(3.75,5.6) 50(3.25,5.6) 51(2.75,5.6) 52(2.25,5.6) 53(1.75,5.6) 54(1.25,5.6) 55(0.75,5.6) 56(0.25,5.6) 57(-0.25,5.6) 58(-0.75,5.6) 59(-1.25,5.6) 60(-1.75,5.6) 61(-2.25,5.6) 62(-2.75,5.6) 63(-3.25,5.6) 64(-3.75,5.6)
  silkscreen extent -5.72,-4.15 4.15,4.57
TSSOP16_M [mm] "SOP, 16-Leads, Body 5.1x4.5mm, Pitch 0.65mm, IPC Low Density"
  rrect22% 1.6x0.45 smd: 1(-3.05,2.275) 2(-3.05,1.625) 3(-3.05,0.975) 4(-3.05,0.325) 5(-3.05,-0.325) 6(-3.05,-0.975) 7(-3.05,-1.625) 8(-3.05,-2.275) 9(3.05,-2.275) 10(3.05,-1.625) 11(3.05,-0.975) 12(3.05,-0.325) 13(3.05,0.325) 14(3.05,0.975) 15(3.05,1.625) 16(3.05,2.275)
  silkscreen extent -3.17,-2.55 1.85,3.17
USB4085-GF-A [mm] "USB-C Connector"
  oval 0.8x0.62 hole 0.4: A1(2.18,2.975) A4(2.18,2.125) A5(2.18,1.275) A6(2.18,0.425) A7(2.18,-0.425) A8(2.18,-1.275) A9(2.18,-2.125) A12(2.18,-2.975) B1(0.83,-2.975) B4(0.83,-2.125) B5(0.83,-1.275) B6(0.83,-0.425) B7(0.83,0.425) B8(0.83,1.275) B9(0.83,2.125) B12(0.83,2.975)
  oval 1.8x1 hole 0.6 slot 1.4 at 0 deg: SH(-2.18,4.325) SH(-2.18,-4.325)
  oval 2.5x1 hole 0.6 slot 2.1 at 0 deg: SH(1.2,4.325) SH(1.2,-4.325)
  silkscreen extent -3.92,-4.47 2.88,4.57